# Altium PCB jlc.PcbDoc (part 1 of 2)
Units mil, origin at the board's own origin, x right, y up, seen from the top; angles counter-clockwise.
Board outline 4500 x 4820 mil, 2 copper layers (Top Layer, Bottom Layer); 196 components, 168 nets, 710 pads, 282 vias.
Unrouted connection lines stored in the file: 2.
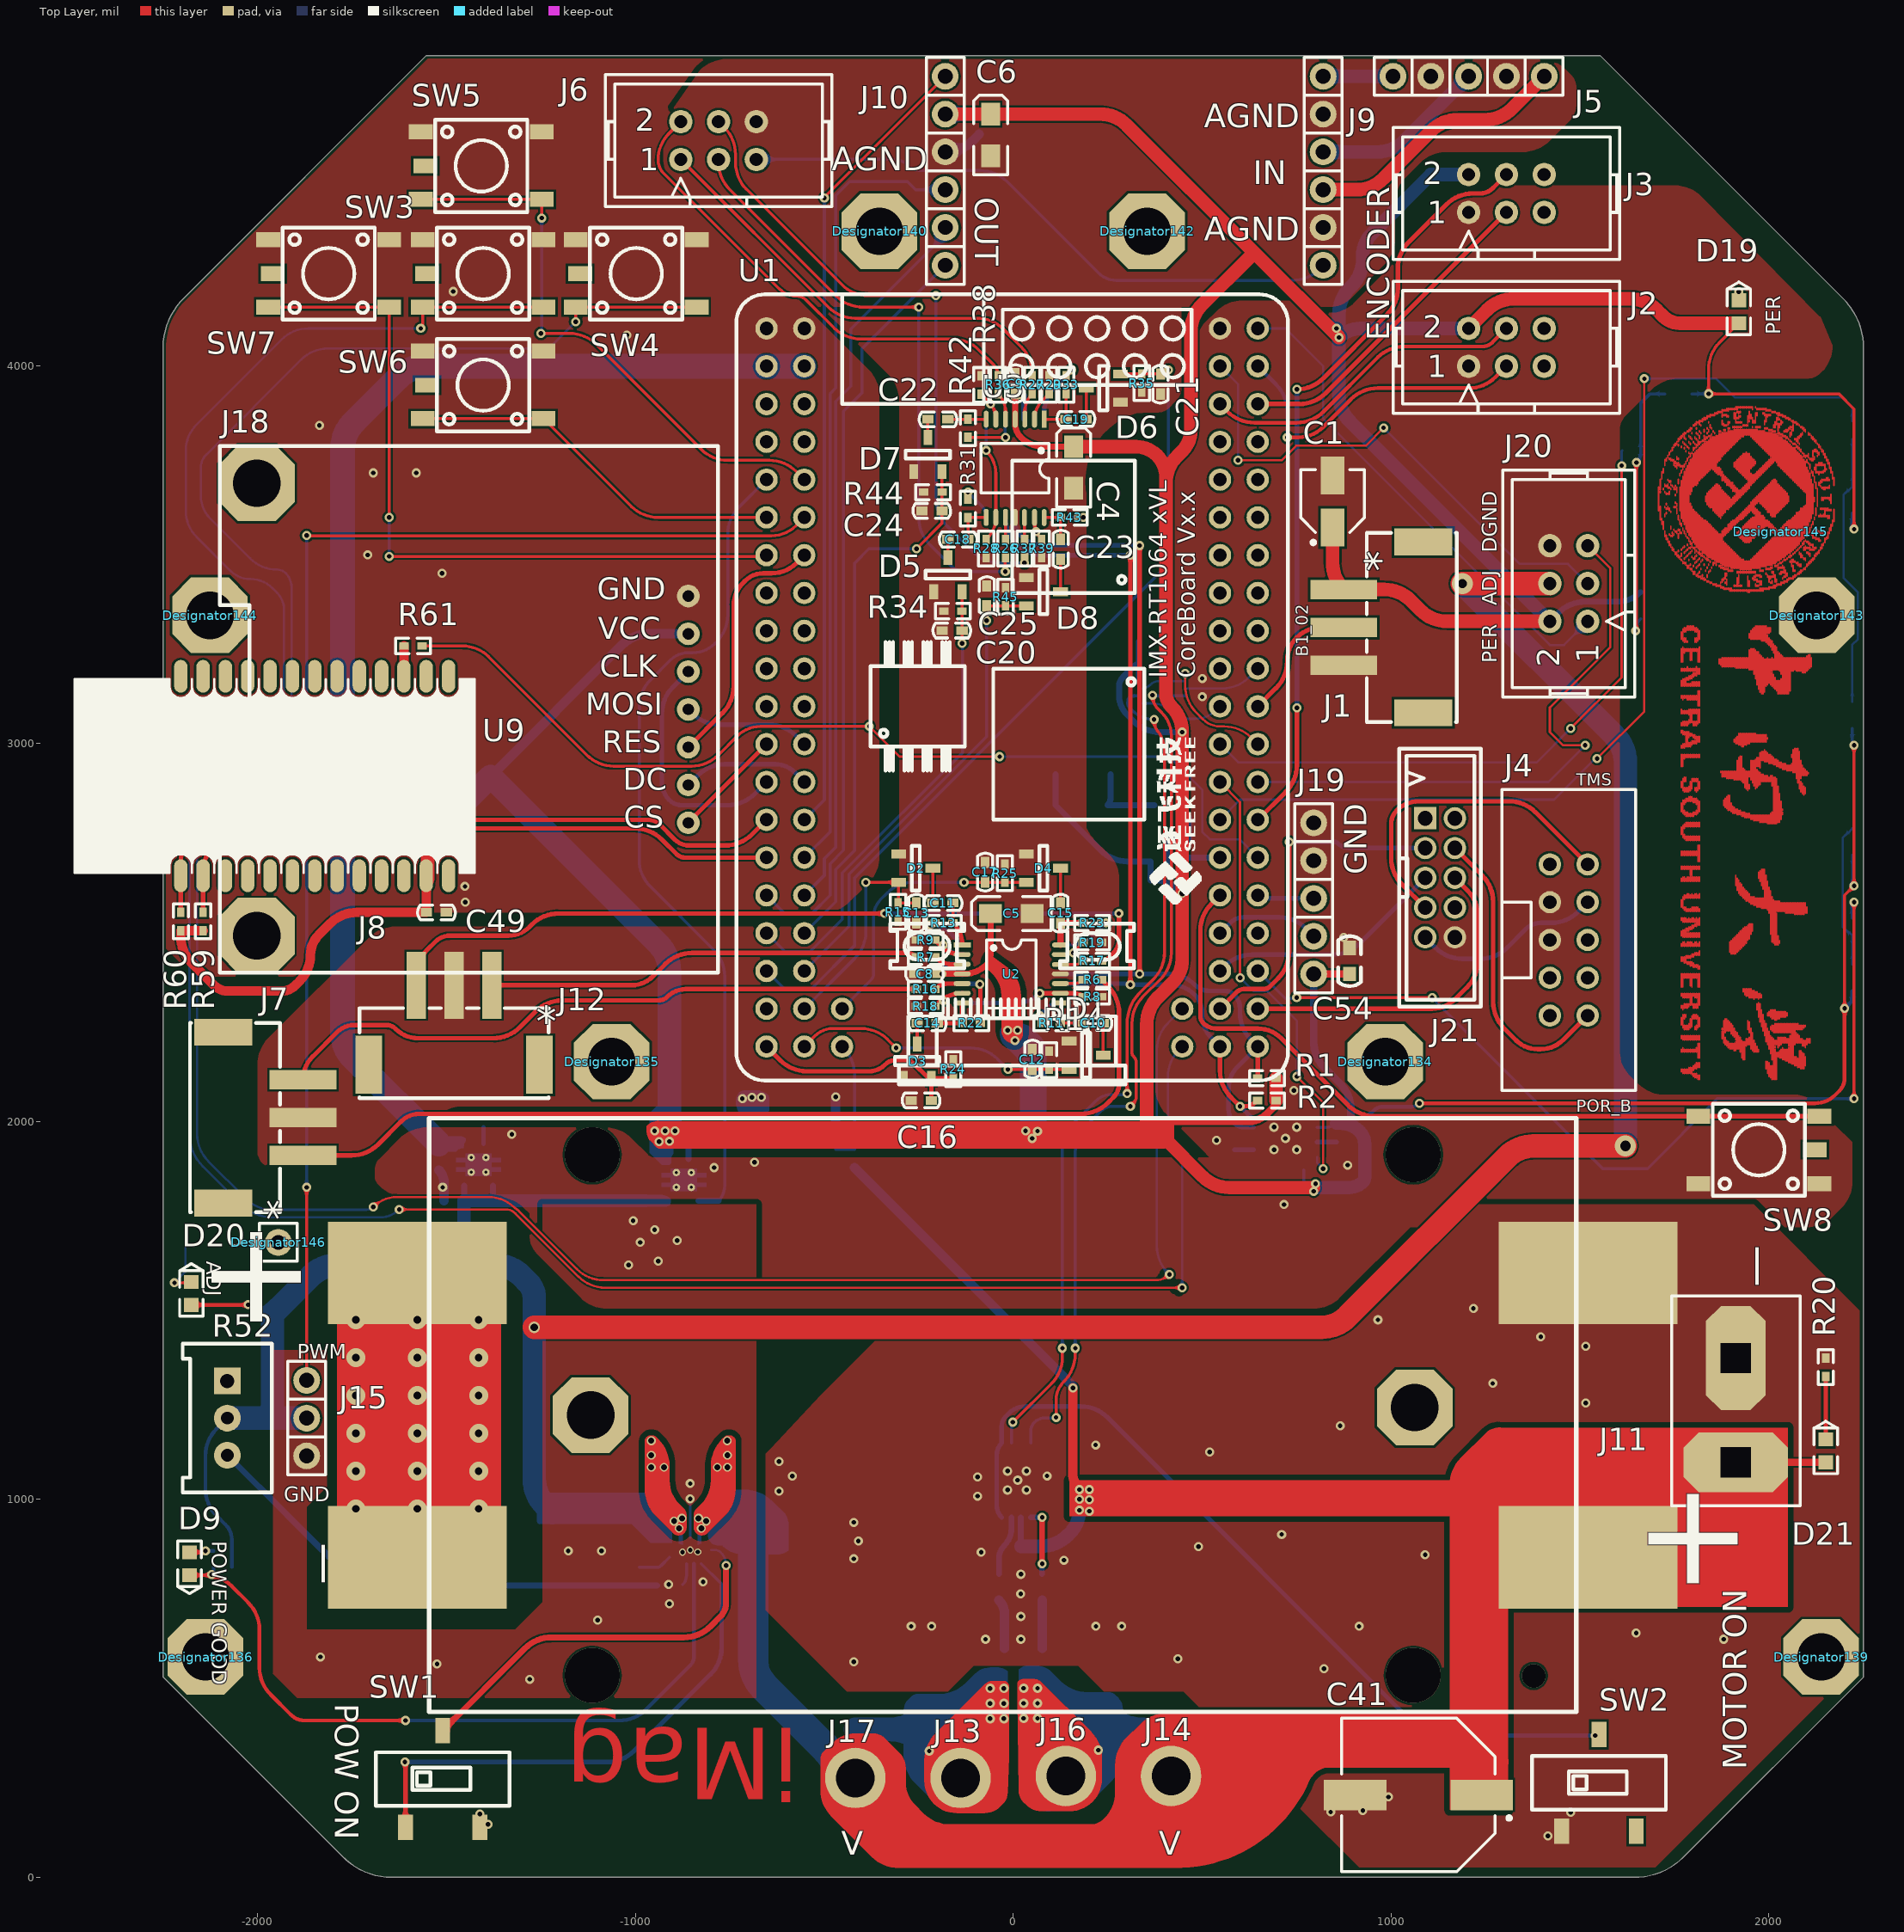
[diagram p0: Top Layer view]
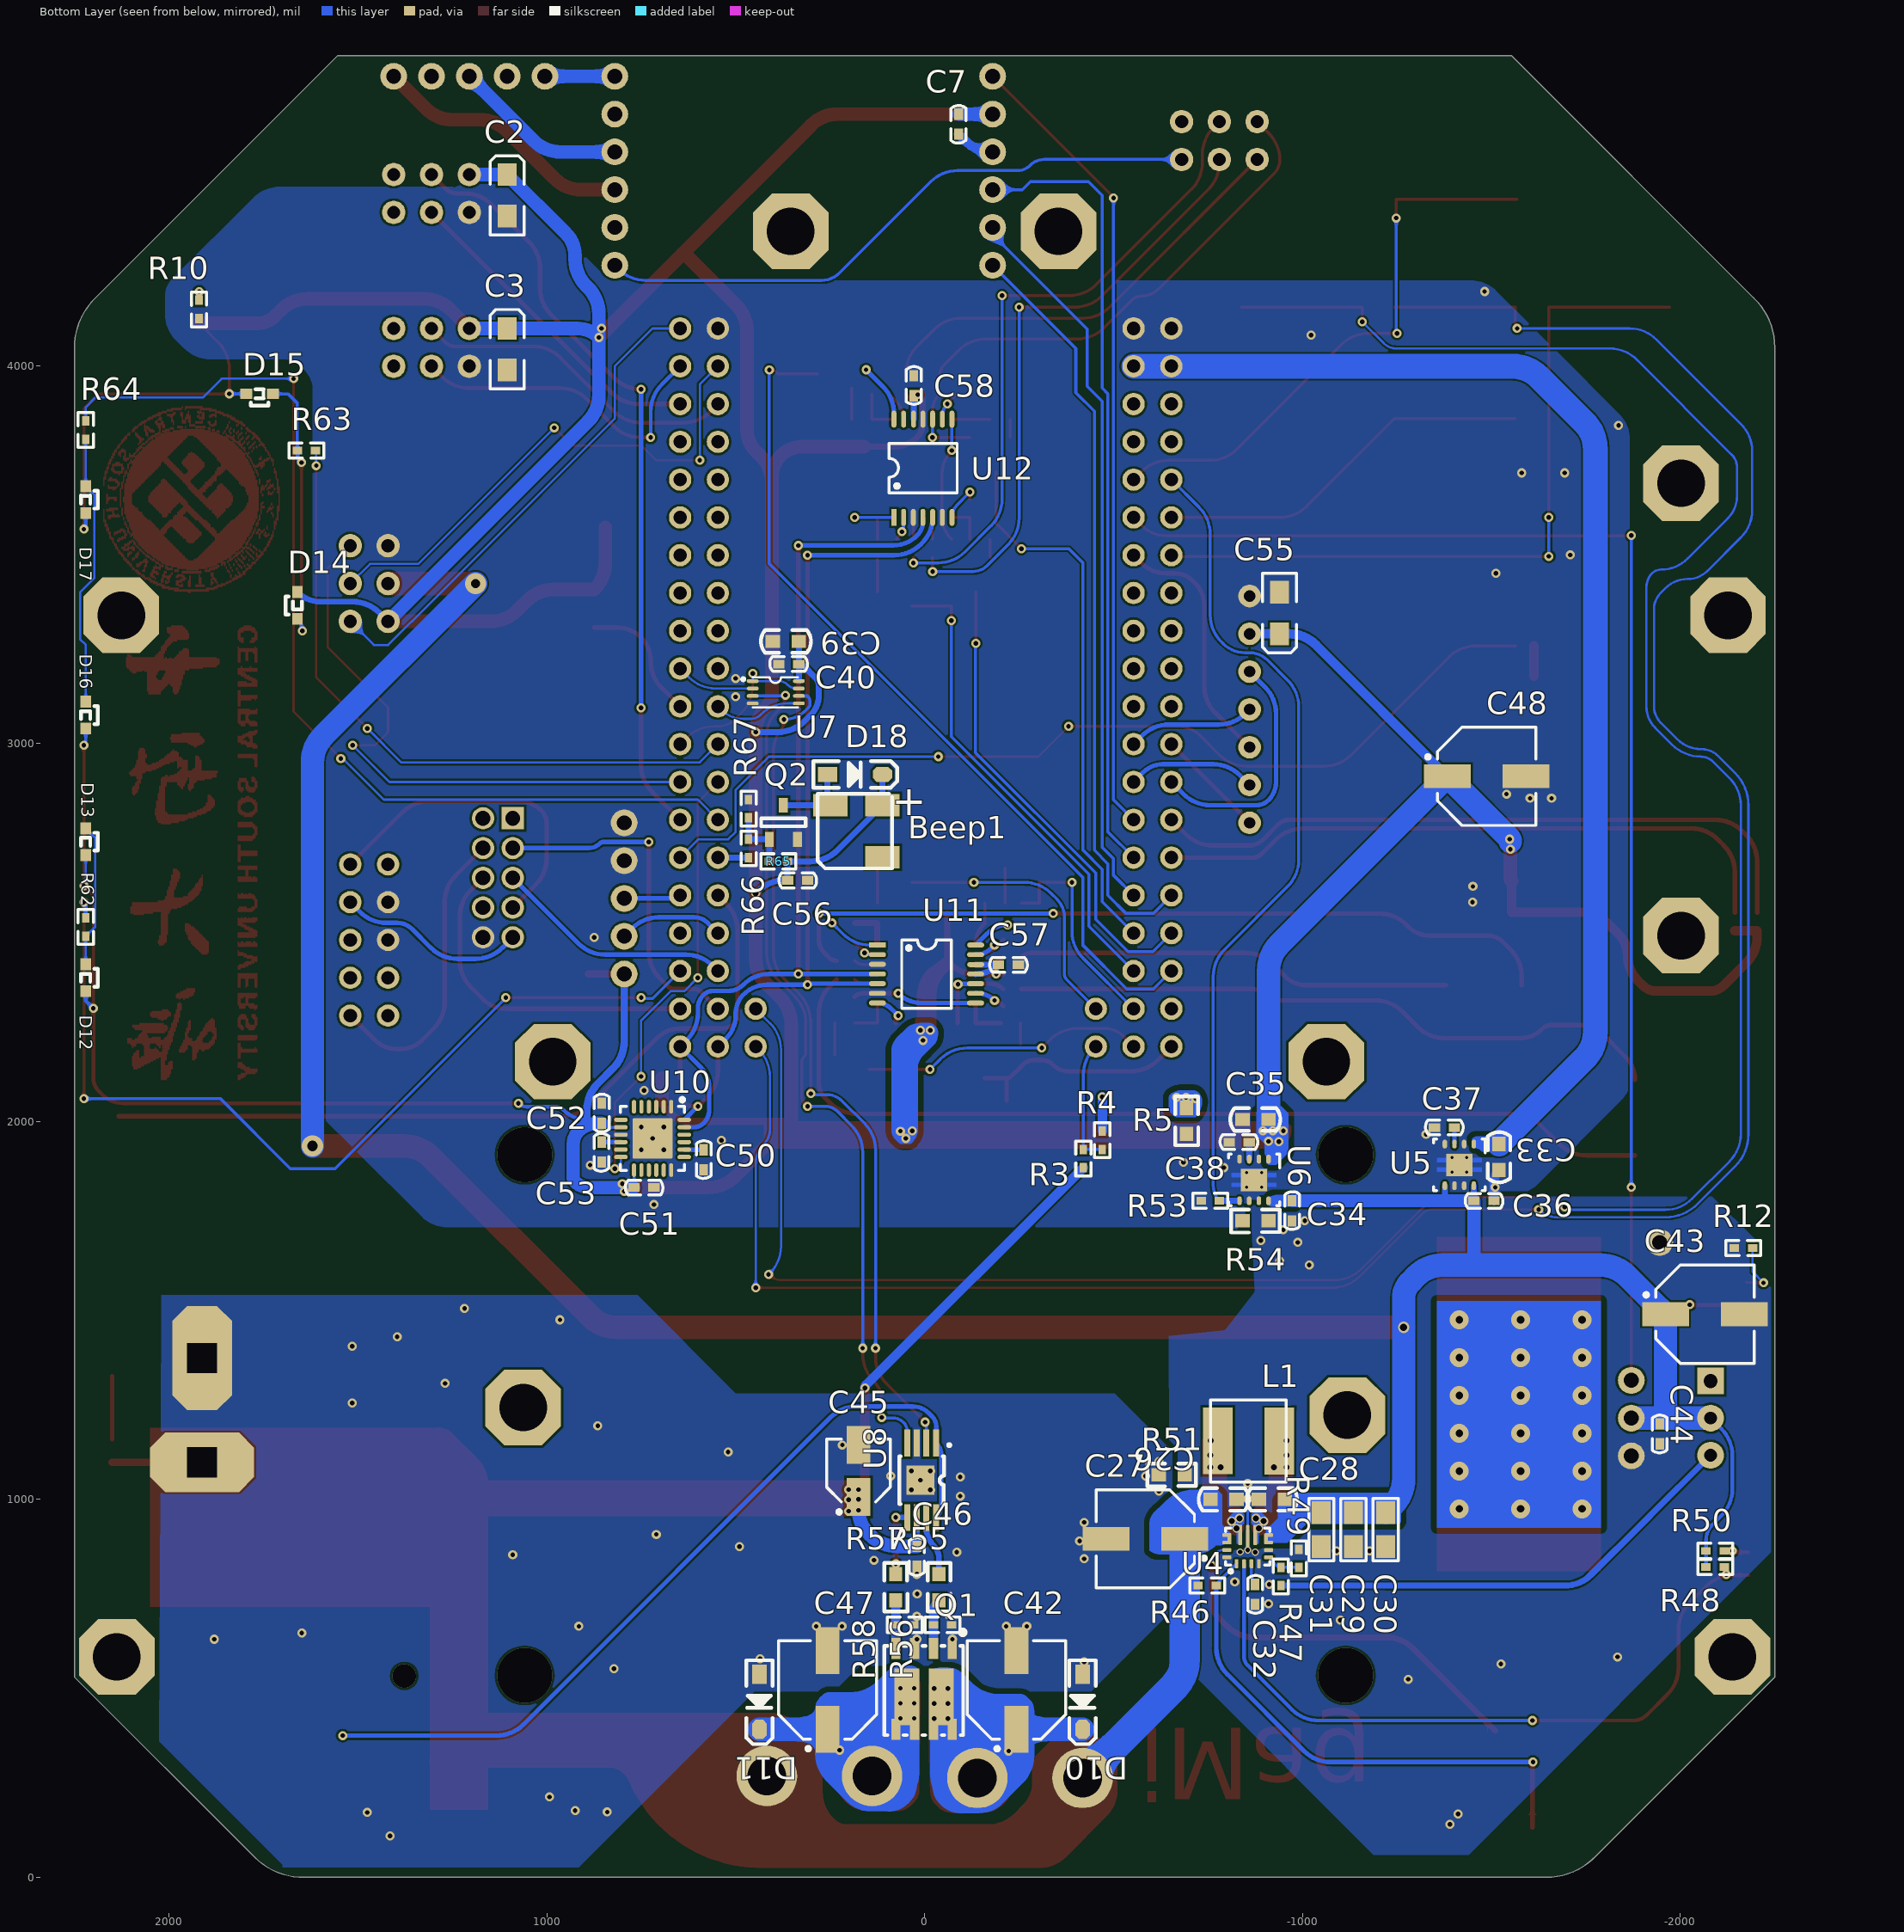
[diagram p1: Bottom Layer view, seen from below]

## Layer stack, top to bottom
Top Solder: solder mask 0.4, Solder Resist, Dk 3.5
Top Layer: signal copper 1.4
Dielectric 1: dielectric 12.6, FR-4, Dk 4.8
Bottom Layer: signal copper 1.4
Bottom Solder: solder mask 0.4, Solder Resist, Dk 3.5

## Board outline
-2250,530 -1775.98,55.98 -1775.95,56.01 ccw(c-1644.81,181.53) -1644.81,0 0,0 1640.83,0 1640.83,0.04 ccw(c1644.81,181.53) 1773.17,53.17 2250,530 2250,4043.82 2249.96,4043.82 ccw(c2068.47,4047.8) 2196.83,4176.16 1552.99,4820 -1552.99,4820 -2194.02,4178.97 -2193.99,4178.94 ccw(c-2068.47,4047.8) -2250,4047.8 -2250,3475

## Design rules (kind name [scope] priority, off if disabled: settings)
BoardOutlineClearance [All] p1: gap=7.87 ignorepadtopadclearanceinfootprint=FALSE
Clearance [All] p1: gap=5 ignorepadtopadclearanceinfootprint=TRUE except(0: Arc-Text Arc-Hole Track-Text Track-Hole SMDPad-Hole THPad-Hole Via-Hole Fill-Text Fill-Hole Poly-Text Poly-Hole Region-Text Region-Hole Text-Text; 3.5: SMDPad-Text THPad-Text Via-Text Text-Hole; 5.91: Via-Fill Via-Poly Via-Region; 5.98: Arc-Via Track-Via THPad-Fill THPad-Poly THPad-Region; 6: Arc-SMDPad Arc-THPad Track-SMDPad Track-THPad SMDPad-Fill SMDPad-Poly SMDPad-Region; 10: SMDPad-SMDPad SMDPad-THPad THPad-THPad Via-Via; 15: Fill-Fill Fill-Poly Fill-Region Poly-Poly Poly-Region Region-Region)
ComponentClearance [All] p1: gap=10 collisioncheckmode=3 verticalgap=10 showdistances=TRUE
DiffPairsRouting [All] p1: maxlimit=10 minlimit=6 mostfreqgap=10 toplayer_minwidth=5.98 toplayer_maxwidth=15 toplayer_prefwidth=15 bottomlayer_minwidth=5.98 bottomlayer_maxwidth=15 bottomlayer_prefwidth=15 maxuncoupledlength=500
HoleSize [All] p1: absolutevalues=TRUE maxlimit=23.62 minlimit=11.81 maxpercent=80.000 minpercent=20.000
MinimumSolderMaskSliver [All] p1: minsoldermaskwidth=1.97
PlaneConnect [All] p1: planeconnectstyle=Direct reliefexpansion=20 reliefentries=4 reliefconductorwidth=10 reliefairgap=10
PolygonConnect [All] p1: connectstyle=Direct reliefconductorwidth=10 reliefentries=4 polygonreliefangle="90 Angle" airgapwidth=10
RoomDefinition U_power [InComponentClass('U_power')] p1: confinementstyle=ConfineOut formatcopy=TRUE lockcomponents=FALSE outline 13023.7,3864.61 20668.7,3864.61 20668.7,8004.61 13023.7,8004.61
RoomDefinition U_interface [InComponentClass('U_interface')] p2: confinementstyle=ConfineOut formatcopy=TRUE lockcomponents=FALSE outline -424.41,9017.99 5605.59,9017.99 5605.59,10232.99 -424.41,10232.99
RoomDefinition U_driver [InComponentClass('U_driver')] p3: confinementstyle=ConfineOut formatcopy=TRUE lockcomponents=FALSE outline -3742.99,-732.01 2377.01,-732.01 2377.01,-202.01 -3742.99,-202.01
RoomDefinition U_analog [InComponentClass('U_analog')] p4: confinementstyle=ConfineOut formatcopy=TRUE lockcomponents=FALSE outline -1187.99,5707.99 2237.01,5707.99 2237.01,6427.99 -1187.99,6427.99
RoomDefinition top [InComponentClass('top')] p5: confinementstyle=ConfineOut formatcopy=TRUE lockcomponents=FALSE outline 4742.01,3277.99 7114.41,3277.99 7114.41,3688.27 4742.01,3688.27
RoomDefinition U_OPA43772 [InComponentClass('U_OPA43772')] p6: confinementstyle=ConfineOut formatcopy=TRUE lockcomponents=FALSE outline 5043.06,8277.23 11523.06,8277.23 11523.06,8607.23 5043.06,8607.23
RoomDefinition U_OPA43771 [InComponentClass('U_OPA43771')] p7: confinementstyle=ConfineOut formatcopy=TRUE lockcomponents=FALSE outline 6182.83,9112.85 9052.83,9112.85 9052.83,9672.85 6182.83,9672.85
RoutingVias [All] p1: holewidth=15.75 width=27.56 viastyle="Through Hole" minholewidth=11.81 minwidth=23.62 maxholewidth=248.03 maxwidth=275.59
SilkToSilkClearance [All] p1: silktosilkclearance=1
SilkToSolderMaskClearance [IsPad] p1: minsilkscreentomaskgap=0 clearancetoexposedcopper=FALSE
SolderMaskExpansion [All] p1: expansion=4 istentingtop=FALSE
UnRoutedNet [All] p1: checkbadconnections=TRUE
Width [All] p1: maxlimit=80 minlimit=5 preferedwidth=10
22 further rules are at their usual default settings.

## Classes and differential pairs
net class POWER: Vadj Vbat Vcore Vper
net class GND: AGND BGND DGND PGND
component class U_BEEP: Beep1 C56 D18 Q2 R65 R66 R67
component class U_power: C26 C27 C28 C29 C30 C31 C32 C33 C34 C35 C36 C37 C38 D9 D19 D20 D21 J11 J12 L1 R10 R12 R20 R46 R47 R48 R49 R50 R51 R52 R53 R54 SW1 U4 U5 U6
component class U_MPU6050: C50 C51 C52 C53 U10
component class U_JTAG: J21
component class U_interface: C54 C55 D12 D13 D14 D15 D16 D17 J4 J18 J19 J20 R62 R63 R64 SW3 SW4 SW5 SW6 SW7 SW8
component class U_HC-05: C48 C49 R59 R60 R61 U9
component class U_driver: C39 C40 C41 C42 C43 C44 C45 C46 C47 D10 D11 J13 J14 J15 J16 J17 Q1 R55 R56 R57 R58 SW2 U7 U8
component class U_analog: C4 C5 C6 C7 C8 C9 J5 J6 J7 J8 J9 J10 R3 R4 R5
component class top: C1 C2 C3 J1 J2 J3 R1 R2 U1
channel class OPA4377: U_OPA43771 U_OPA43772 U_OPA43773
component class U_OPA43772: C18 C19 C20 C21 C22 C23 C24 C25 C58 D5 D6 D7 D8 R26 R27 R28 R29 R31 R33 R34 R35 R36 R37 R38 R39 R42 R43 R44 R45 U3 U12
component class U_OPA43771: C10 C11 C12 C13 C14 C15 C16 C17 C57 D1 D2 D3 D4 R6 R7 R8 R9 R11 R13 R14 R15 R16 R17 R18 R19 R22 R23 R24 R25 U2 U11

## Components (designator, comment, footprint, x,y, rotation, side; value= is the part's Value field where it differs from the comment)
Beep1 "蜂鸣器" Beep-5.0*5.0 180.5,2767.84 r0 bottom
C1 "22uF" "贴片电解 4*5.4" 845,3639.9 r90 top value=100pF
C2 "106" 3216-ce 1105,4505 r90 bottom value=100pF
C3 "106" 3216-ce 1105,4097.99 r90 bottom value=100pF
C4 "106" 3216-ce 160,3785 r90 top value=100pF (schematic designator C26)
C5 "106" 3216-ce -60,2550 r180 top value=100pF (schematic designator C27)
C6 "106" 3216-ce -60,4665 r90 top value=100pF (schematic designator C28)
C7 "104" C0402 -90,4615 r90 bottom value=22pF (schematic designator C29)
C8 "104" C0402 -257.95,2390.23 r0 top value=22pF (schematic designator C30)
C9 "104" C0402 5,3975 r270 top value=22pF (schematic designator C31)
C10 "104" C0402 188,2260 r0 top value=22pF (schematic designator C1)
C11 "104" C0402 -162.75,2578 r180 top value=22pF (schematic designator C2)
C12 "104" C0402 50,2187.6 r270 top value=22pF (schematic designator C3)
C13 "104" C0402 -256.15,2528 r90 top value=22pF (schematic designator C4)
C14 "104" C0402 -204.3,2260 r180 top value=22pF (schematic designator C5)
C15 "104" C0402 125,2528 r90 top value=22pF (schematic designator C6)
C16 "104" C0402 -266.9,2055 r0 top value=22pF (schematic designator C7)
C17 "104" C0402 -75,2682.6 r270 top value=22pF (schematic designator C8)
C18 "104" C0402 -123,3540 r180 top value=22pF (schematic designator C1)
C19 "104" C0402 143,3857.84 r0 top value=22pF (schematic designator C2)
C20 "104" C0402 -185.6,3297.99 r0 top value=22pF (schematic designator C3)
C21 "104" C0402 390,3927.4 r90 top value=22pF (schematic designator C4)
C22 "104" C0402 -176,3857.84 r180 top value=22pF (schematic designator C5)
C23 "104" C0402 125,3537 r270 top value=22pF (schematic designator C6)
C24 "104" C0402 -238.6,3615 r0 top value=22pF (schematic designator C7)
C25 "104" C0402 -70.59,3413.85 r270 top value=22pF (schematic designator C8)
C26 "106" C0603 -756.47,1000 r180 bottom value=22pF (schematic designator C13)
C27 "100uF,16V" "贴片电解 6.3*5.4" -583.98,895.67 r0 bottom value=100pF (schematic designator C14)
C28 "106" C0603 -884.53,1000 r180 bottom value=22pF (schematic designator C15)
C29 "226" 0805C -1135,920 r90 bottom value=22pF (schematic designator C16)
C30 "226" 0805C -1220,920 r90 bottom value=22pF (schematic designator C17)
C31 "226" 0805C -1050,920 r90 bottom value=22pF (schematic designator C18)
C32 "104" C0402 -874.68,771.8 r270 bottom value=22pF (schematic designator C19)
C33 "225" C0603 -1520,1940.12 r270 bottom value=22pF (schematic designator C20)
C34 "104" C0402 -972.5,1787 r270 bottom value=22pF (schematic designator C21)
C35 "225" C0603 -910.12,2005 r0 bottom value=22pF (schematic designator C22)
C36 "104" C0402 -1503.39,1790 r0 bottom value=22pF (schematic designator C23)
C37 "103" C0402 -1352.2,1983.82 r180 bottom value=22pF (schematic designator C24)
C38 "103" C0402 -808.94,1945 r180 bottom value=22pF (schematic designator C25)
C39 "106" C0603 401.95,3270 r180 bottom value=22pF (schematic designator C4)
C40 "104" C0402 382.95,3210 r180 bottom value=22pF (schematic designator C5)
C41 "150uF, 35V" "贴片电解 10*10.5" 1072.01,217.99 r180 top value=100pF (schematic designator C6)
C42 "106, 16V" "贴片电解 6.3*5.4" -242.99,495.82 r90 bottom value=100pF (schematic designator C7)
C43 "47uF" "贴片电解 6.3*5.4" -2065,1490 r180 bottom value=100pF (schematic designator C8)
C44 "104" C0402 -1945.71,1150 r90 bottom value=22pF (schematic designator C9)
C45 "22uF" "贴片电解 4*5.4" 175,1075 r90 bottom value=100pF (schematic designator C10)
C46 "104" C0402 20.32,825.63 r90 bottom value=22pF (schematic designator C11)
C47 "106, 16V" "贴片电解 6.3*5.4" 257.01,495.82 r90 bottom value=100pF (schematic designator C12)
C48 "47uF" "贴片电解 6.3*5.4" -1487.32,2912.99 r180 bottom value=100pF (schematic designator C1)
C49 "104" C0402 -1503.39,2552.99 r180 top value=22pF (schematic designator C2)
C50 "2.2nF" C0402 585,1922 r270 bottom value=22pF (schematic designator C1)
C51 "104" C0402 719.21,1825 r0 bottom value=22pF (schematic designator C2)
C52 "103" C0402 855,2045 r270 bottom value=22pF (schematic designator C3)
C53 "104" C0402 855,1895.16 r90 bottom value=22pF (schematic designator C4)
C54 "106" C0603 890,2459 r270 top value=22pF (schematic designator C32)
C55 "106" 3216-ce -939.41,3290 r270 bottom value=100pF (schematic designator C33)
C56 "104" C0402 312.81,2637.99 r0 bottom value=22pF (schematic designator C1)
C57 "104" C0402 -245,2414.77 r0 bottom value=22pF (schematic designator C9)
C58 "104" C0402 29.18,3970 r270 bottom value=22pF (schematic designator C9)
D1 "肖特基" SOT-23 192.72,2175 r270 top
D2 "肖特基" SOT-23 -258.03,2670 r270 top
D3 "肖特基" SOT-23 -254.3,2159.72 r0 top
D4 "肖特基" SOT-23 79.72,2670 r270 top
D5 "肖特基" SOT-23 -173,3446.52 r0 top (schematic designator D1)
D6 "肖特基" SOT-23 238.28,3940 r90 top (schematic designator D2)
D7 "肖特基" SOT-23 -226,3764.36 r0 top (schematic designator D3)
D8 "肖特基" SOT-23 79.72,3401.25 r270 top (schematic designator D4)
D9 "LED" "LED 0603R" -2180,829.68 r90 top (schematic designator D3)
D10 "肖特基" SOD-123F -417.99,464.33 r270 bottom (schematic designator D1)
D11 "肖特基" SOD-123F 437.01,464.33 r270 bottom (schematic designator D2)
D12 "LED" LED-SMD_L1.7-W0.6-RD 2220,2380 r270 bottom (schematic designator D4)
D13 "LED" LED-SMD_L1.7-W0.6-RD 2220,2740 r270 bottom (schematic designator D5)
D14 "LED" LED-SMD_L1.7-W0.6-RD 1660,3365 r90 bottom (schematic designator D6)
D15 "LED" LED-SMD_L1.7-W0.6-RD 1760,3925 r0 bottom (schematic designator D7)
D16 "LED" LED-SMD_L1.7-W0.6-RD 2220,3075 r270 bottom (schematic designator D8)
D17 "LED" LED-SMD_L1.7-W0.6-RD 2220,3645 r270 bottom (schematic designator D9)
D18 "肖特基" SOD-123F 184.44,2917.99 r180 bottom (schematic designator D1)
D19 "LED" "LED 0603Y" 1920,4142.11 r270 top (schematic designator D10)
D20 "LED" "LED 0603G" -2175,1544.68 r270 top (schematic designator D11)
D21 "LED" "LED 0603B" 2150,1128.31 r270 top (schematic designator D12)
Designator134 "Comment" 定位孔 984.25,2157.99 r0 top locked
Designator135 "Comment" 定位孔 -1062.99,2157.99 r0 top locked
Designator136 "Comment" 定位孔 -2137.8,583.19 r0 top locked
Designator139 "Comment" 定位孔 2137.8,583.19 r0 top locked
Designator140 "Comment" 定位孔 -354.33,4355.04 r0 top locked
Designator142 "Comment" 定位孔 354.33,4355.04 r0 top locked
Designator143 "Comment" 定位孔 2125.98,3339.09 r0 top locked
Designator144 "Comment" 定位孔 -2125.98,3339.09 r0 top locked
Designator145 "Comment" CSU 2030,3560 r270 top
Designator146 "Comment" 2.54排针1X1 -1945,1680 r0 top
J1 "SIP-3" XH2.54-3SMD 980,3307 r270 top
J2 "SIP-6" 2.54简易牛角座6P 1205,3997.99 r0 top
J3 "SIP-6" 2.54简易牛角座6P 1205,4405 r0 top
J4 "PIN-10" JTAG_10P 1470,2480 r0 top
J5 "SIP-6" 2.54排针1X5 1205,4765 r0 top (schematic designator J12)
J6 "SIP-6" 2.54简易牛角座6P -880,4545 r0 top (schematic designator J13)
J7 "SIP-3" XH2.54-3SMD -1985,2010 r90 top (schematic designator J14)
J8 "SIP-3" XH2.54-3SMD -1480,2255 r180 top (schematic designator J15)
J9 "IN" 2.54排针1X6 820,4565 r90 top (schematic designator J16)
J10 "OUT" 2.54排针1X6 -180,4565 r90 top (schematic designator J17)
J11 "BATTERY" T接头 1912.01,1373.58 r0 top (schematic designator J10)
J12 "干电池2" 18650x2 -27.99,1222.99 r180 top locked (schematic designator J11)
J13 "THROUGHHOLE" MOTOR -139.46,262.99 r0 top (schematic designator J5)
J14 "THROUGHHOLE" MOTOR 417.6,267.99 r0 top (schematic designator J6)
J15 "SIP-3" 2.54排针1X3 -1870,1215 r270 top (schematic designator J7)
J16 "THROUGHHOLE" MOTOR 139.07,267.99 r0 top (schematic designator J8)
J17 "THROUGHHOLE" MOTOR -417.99,262.99 r0 top (schematic designator J9)
J18 "0.96OLED" "OLED 0.96" -781.26,3786.85 r270 top locked
J19 "SIP-6" 2.54排针1X5 795,2590 r270 top
J20 "SIP-6" 2.54简易牛角座6P 1520,3323 r90 top
J21 "2.0MM" IDC-10P 1129.37,2644.48 r270 top (schematic designator J1)
L1 "1.5uH" L5X5 -756.48,1252 r180 bottom
Q1 "SI7234DP-T1-GE3" DFN-8EP2 -3.49,489.49 r270 bottom
Q2 "NPN" SOT-23 373.61,2791.47 r180 bottom (schematic designator Q1)
R1 "4.7K" R0402 695.21,2114.45 r180 top value=150R
R2 "4.7K" R0402 695.21,2055 r180 top value=150R
R3 "39K" R0402 -420,1925.98 r270 bottom value=150R (schematic designator R16)
R4 "22K" R0402 -470,1974.18 r270 bottom value=150R (schematic designator R17)
R5 "0" R0603 -693.24,1966.81 r90 bottom value=150R (schematic designator R18)
R6 "5.1K" R0402 185,2375 r0 top value=150R (schematic designator R1)
R7 "5.1K" R0402 -207.95,2435 r180 top value=150R (schematic designator R2)
R8 "1K" R0402 185,2330 r0 top value=150R (schematic designator R3)
R9 "1K" R0402 -207.95,2480 r180 top value=150R (schematic designator R4)
R10 "511" R0402 1920,4124.23 r90 bottom value=150R (schematic designator R22)
R11 "47K" R0402 124.68,2260 r180 top value=150R (schematic designator R6)
R12 "1K" R0402 -2142.73,1665 r180 bottom value=150R (schematic designator R23)
R13 "47K" R0402 -159.75,2525 r180 top value=150R (schematic designator R8)
R14 "47K" R0402 95,2137.6 r90 top value=150R (schematic designator R9)
R15 "47K" R0402 -305,2578 r270 top value=150R (schematic designator R10)
R16 "5.1K" R0402 -207.95,2350 r180 top value=150R (schematic designator R11)
R17 "5.1K" R0402 185,2425 r0 top value=150R (schematic designator R12)
R18 "1K" R0402 -207.95,2305 r180 top value=150R (schematic designator R13)
R19 "1K" R0402 185,2473.65 r0 top value=150R (schematic designator R14)
R20 "4.7K" R0402 2150,1373.58 r270 top value=150R (schematic designator R24)
R22 "47K" R0402 -135.16,2260 r0 top value=150R (schematic designator R17)
R23 "47K" R0402 185,2525 r0 top value=150R (schematic designator R18)
R24 "47K" R0402 -158.78,2114.45 r90 top value=150R (schematic designator R19)
R25 "47K" R0402 -21.99,2632.6 r90 top value=150R (schematic designator R20)
R26 "5.1K" R0402 -20.59,3540 r270 top value=150R (schematic designator R1)
R27 "5.1K" R0402 50,3925 r90 top value=150R (schematic designator R2)
R28 "1K" R0402 -71.77,3540 r270 top value=150R (schematic designator R3)
R29 "1K" R0402 95,3925 r90 top value=150R (schematic designator R4)
R31 "47K" R0402 -120,3597.68 r90 top value=150R (schematic designator R6)
R33 "47K" R0402 140,3925 r90 top value=150R (schematic designator R8)
R34 "47K" R0402 -135.6,3350 r180 top value=150R (schematic designator R9)
R35 "47K" R0402 340,3977.4 r270 top value=150R (schematic designator R10)
R36 "5.1K" R0402 -40,3925 r90 top value=150R (schematic designator R11)
R37 "5.1K" R0402 29.77,3540 r270 top value=150R (schematic designator R12)
R38 "1K" R0402 -85,3924.4 r90 top value=150R (schematic designator R13)
R39 "1K" R0402 75,3540 r270 top value=150R (schematic designator R14)
R42 "47K" R0402 -120,3857.83 r270 top value=150R (schematic designator R17)
R43 "47K" R0402 125,3597.99 r0 top value=150R (schematic designator R18)
R44 "47K" R0402 -188.6,3665 r180 top value=150R (schematic designator R19)
R45 "47K" R0402 -20.59,3363.85 r90 top value=150R (schematic designator R20)
R46 "10K" R0402 -771.8,771.8 r0 bottom value=150R (schematic designator R7)
R47 "267K" R0402 -942.93,771.8 r90 bottom value=150R (schematic designator R8)